# Altium PCB Bus_Adaptor_Hw-v2.2-tvs_tft.PcbDoc (part 1 of 2)
Units mil, origin at the board's own origin, x right, y up, seen from the top; angles counter-clockwise.
Board outline 2005.19 x 1181.26 mil, 4 copper layers (Top Layer, Layer 1, Layer 2, Bottom Layer), stack 23.756 mil thick; 106 components, 118 nets, 571 pads, 403 vias.
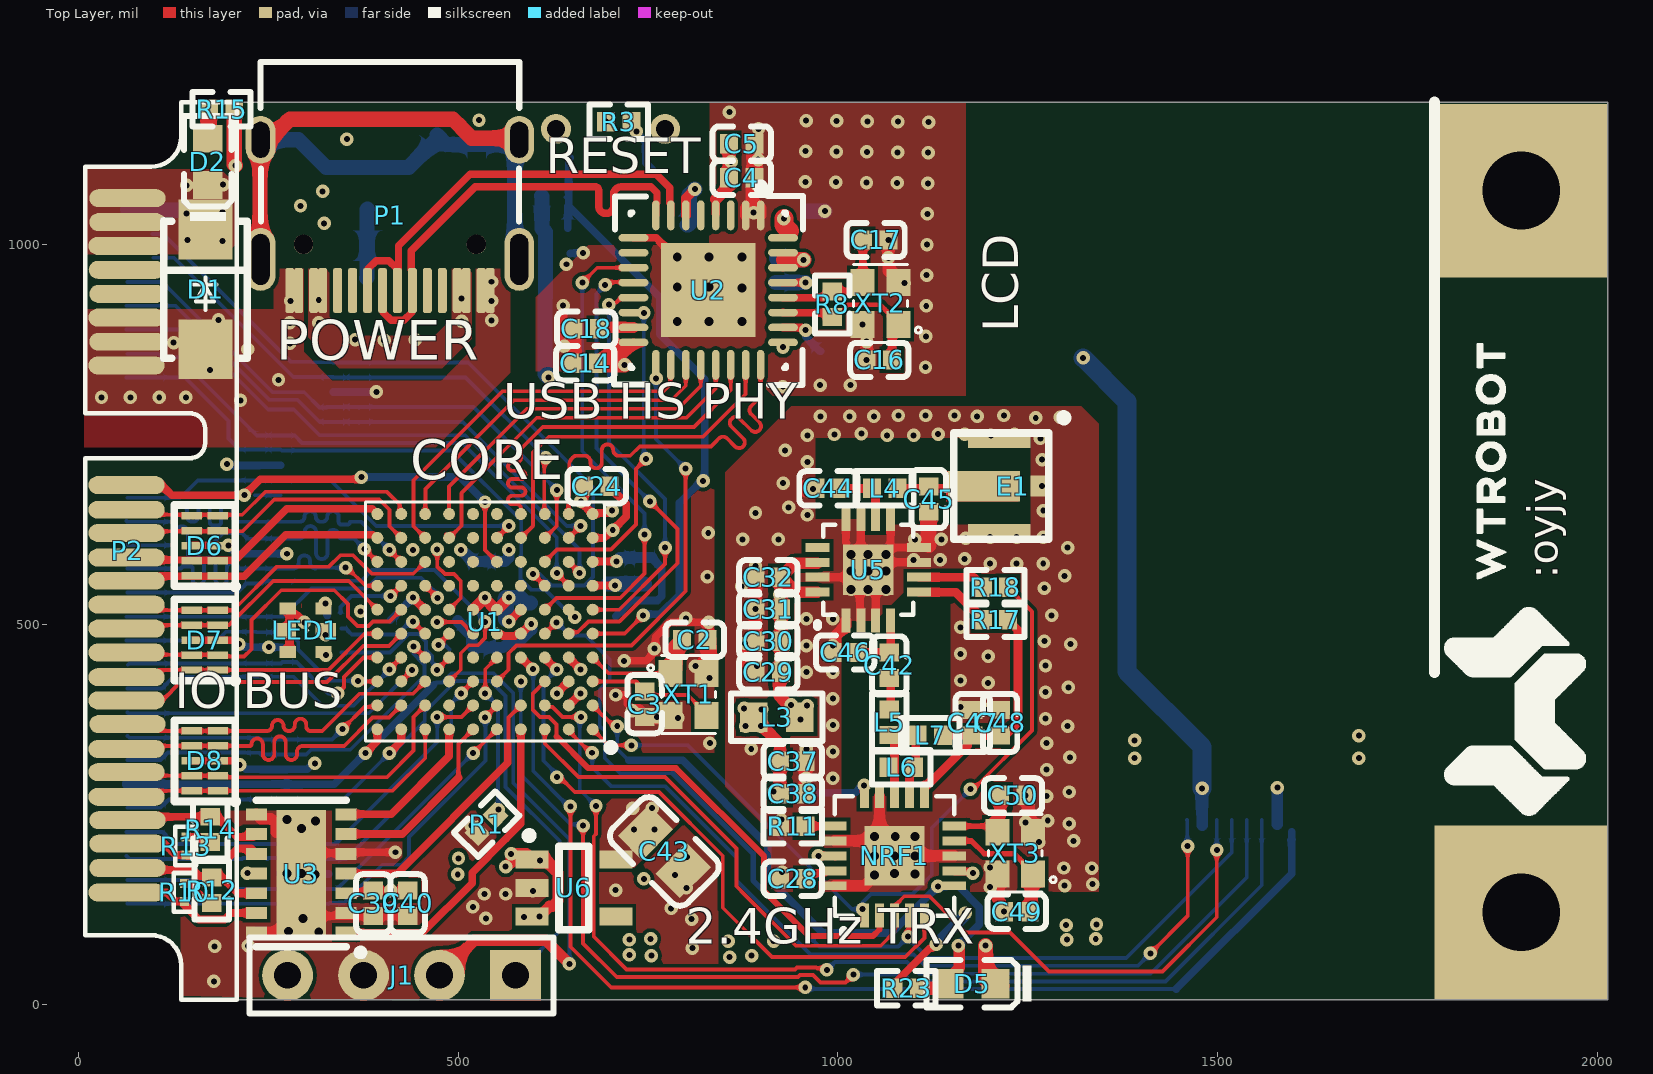
[diagram p0: Top Layer view]
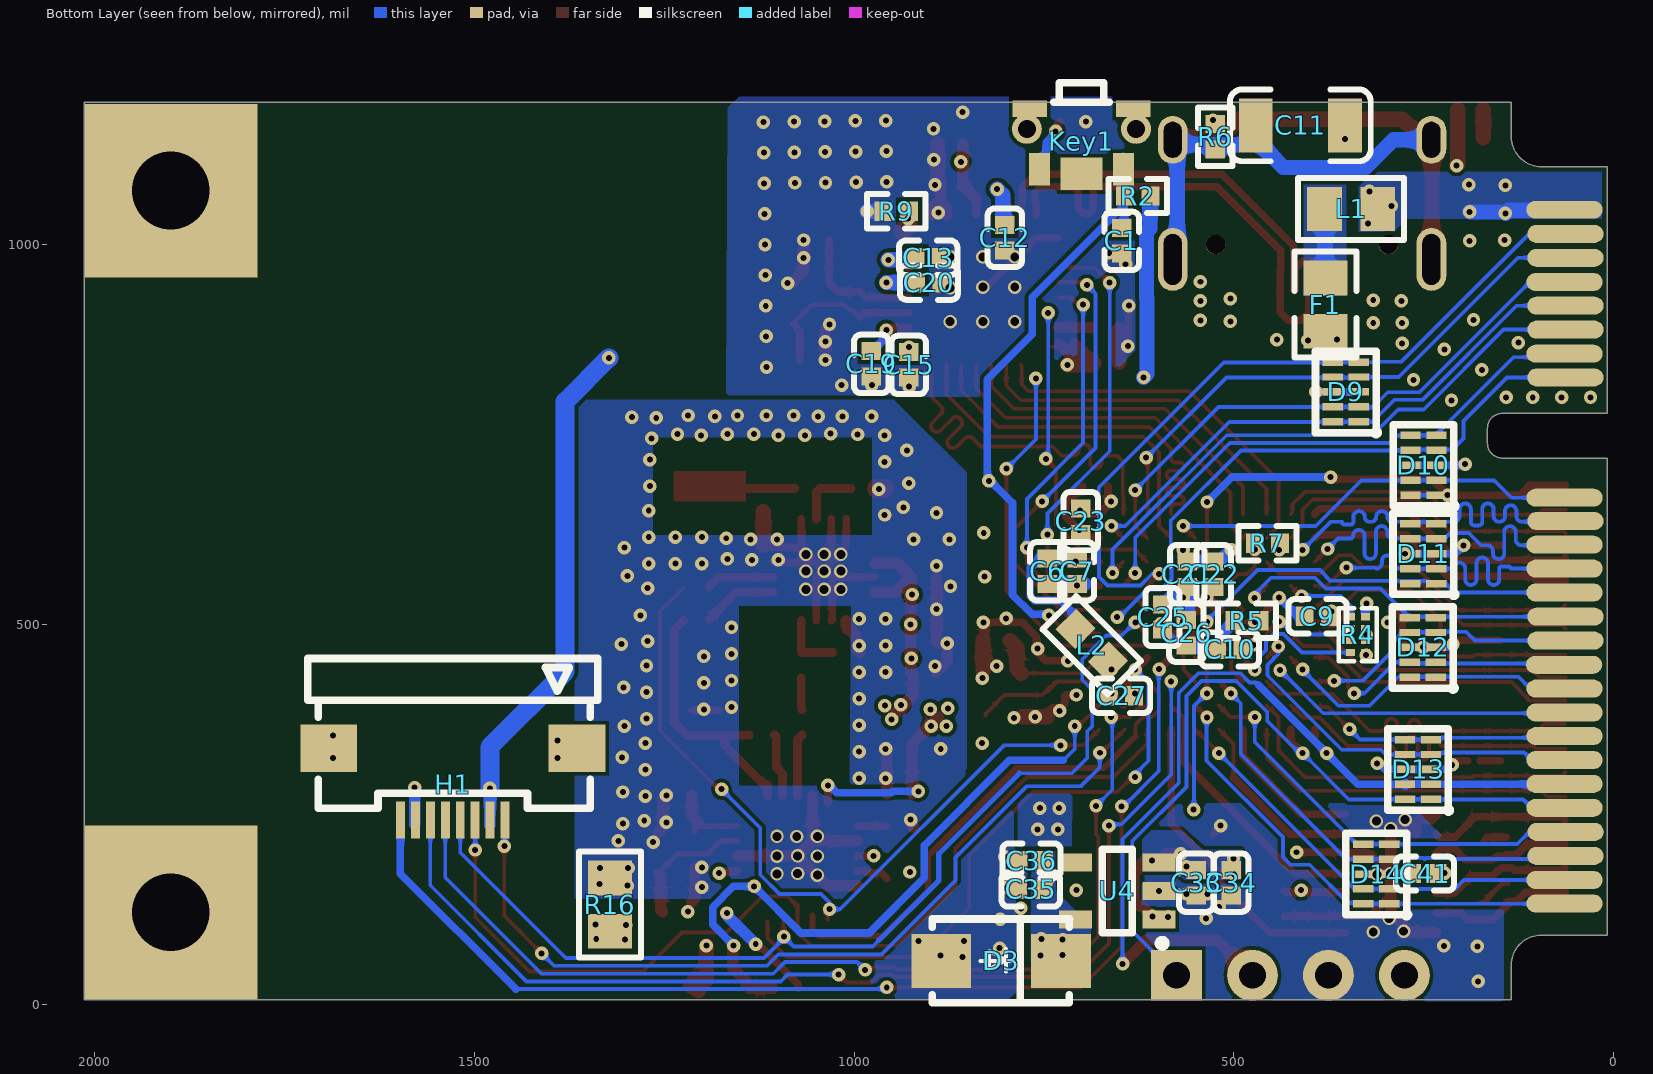
[diagram p1: Bottom Layer view, seen from below]
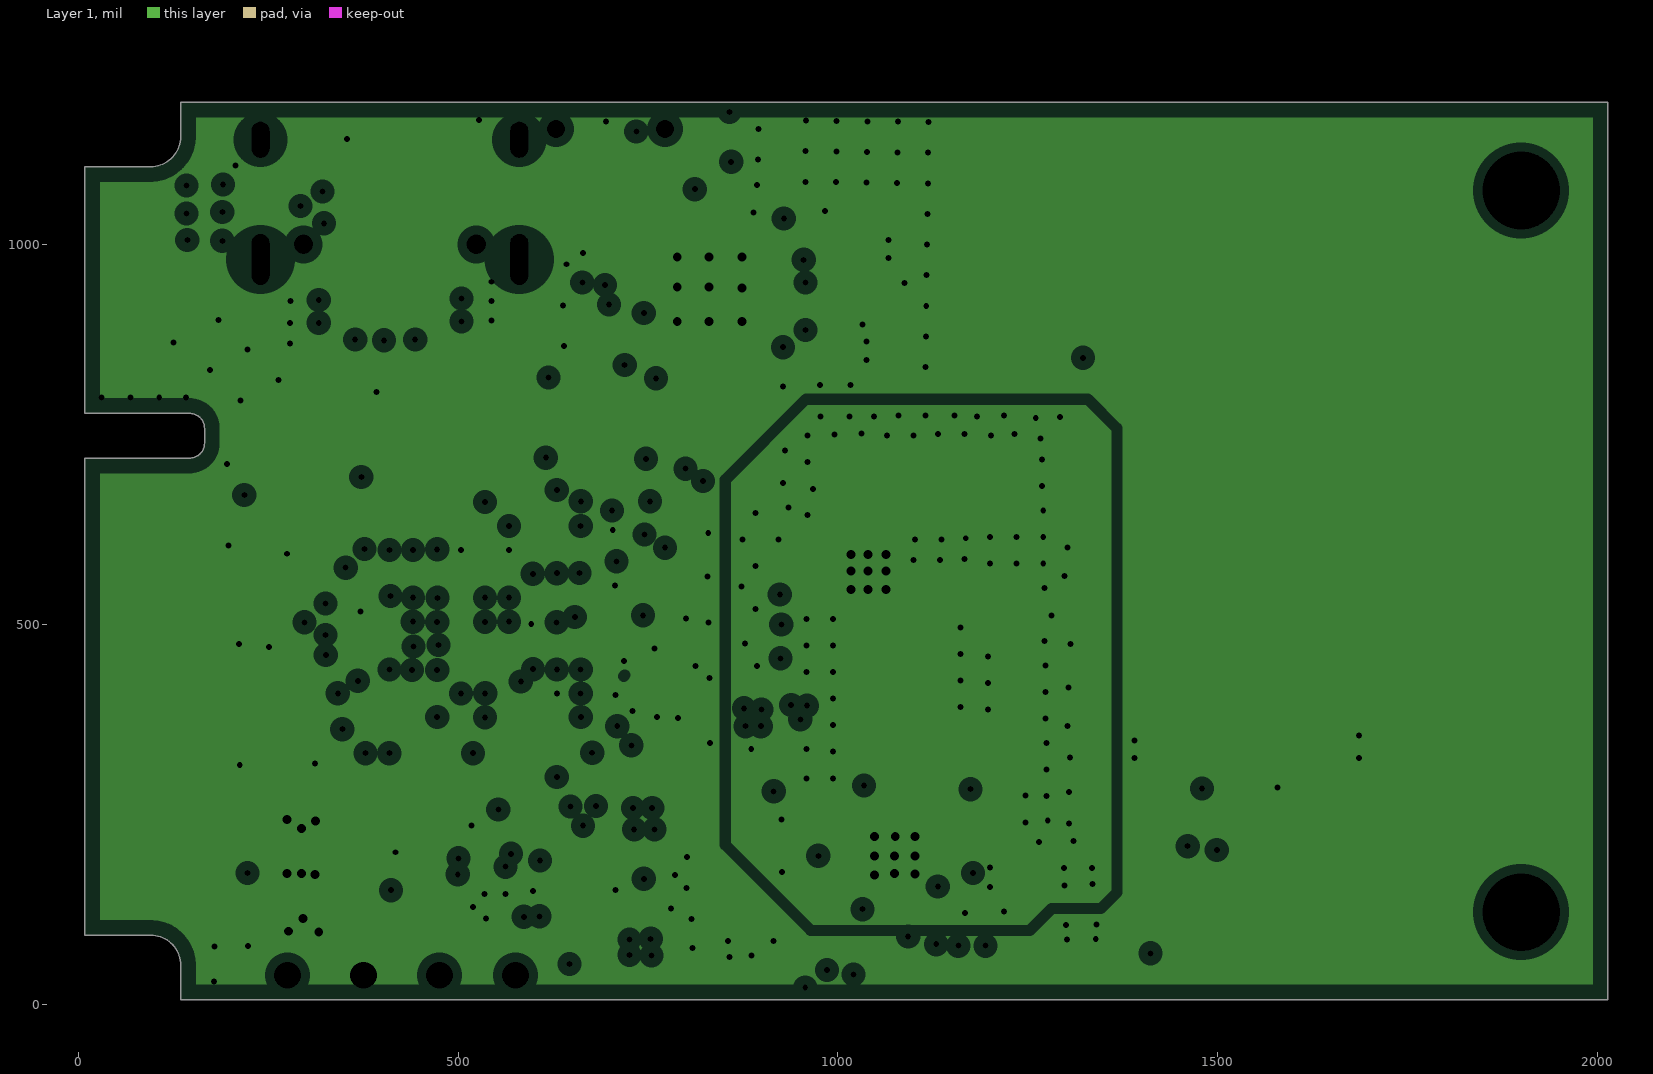
[diagram p2: Layer 1, clearances drawn from the general rule]
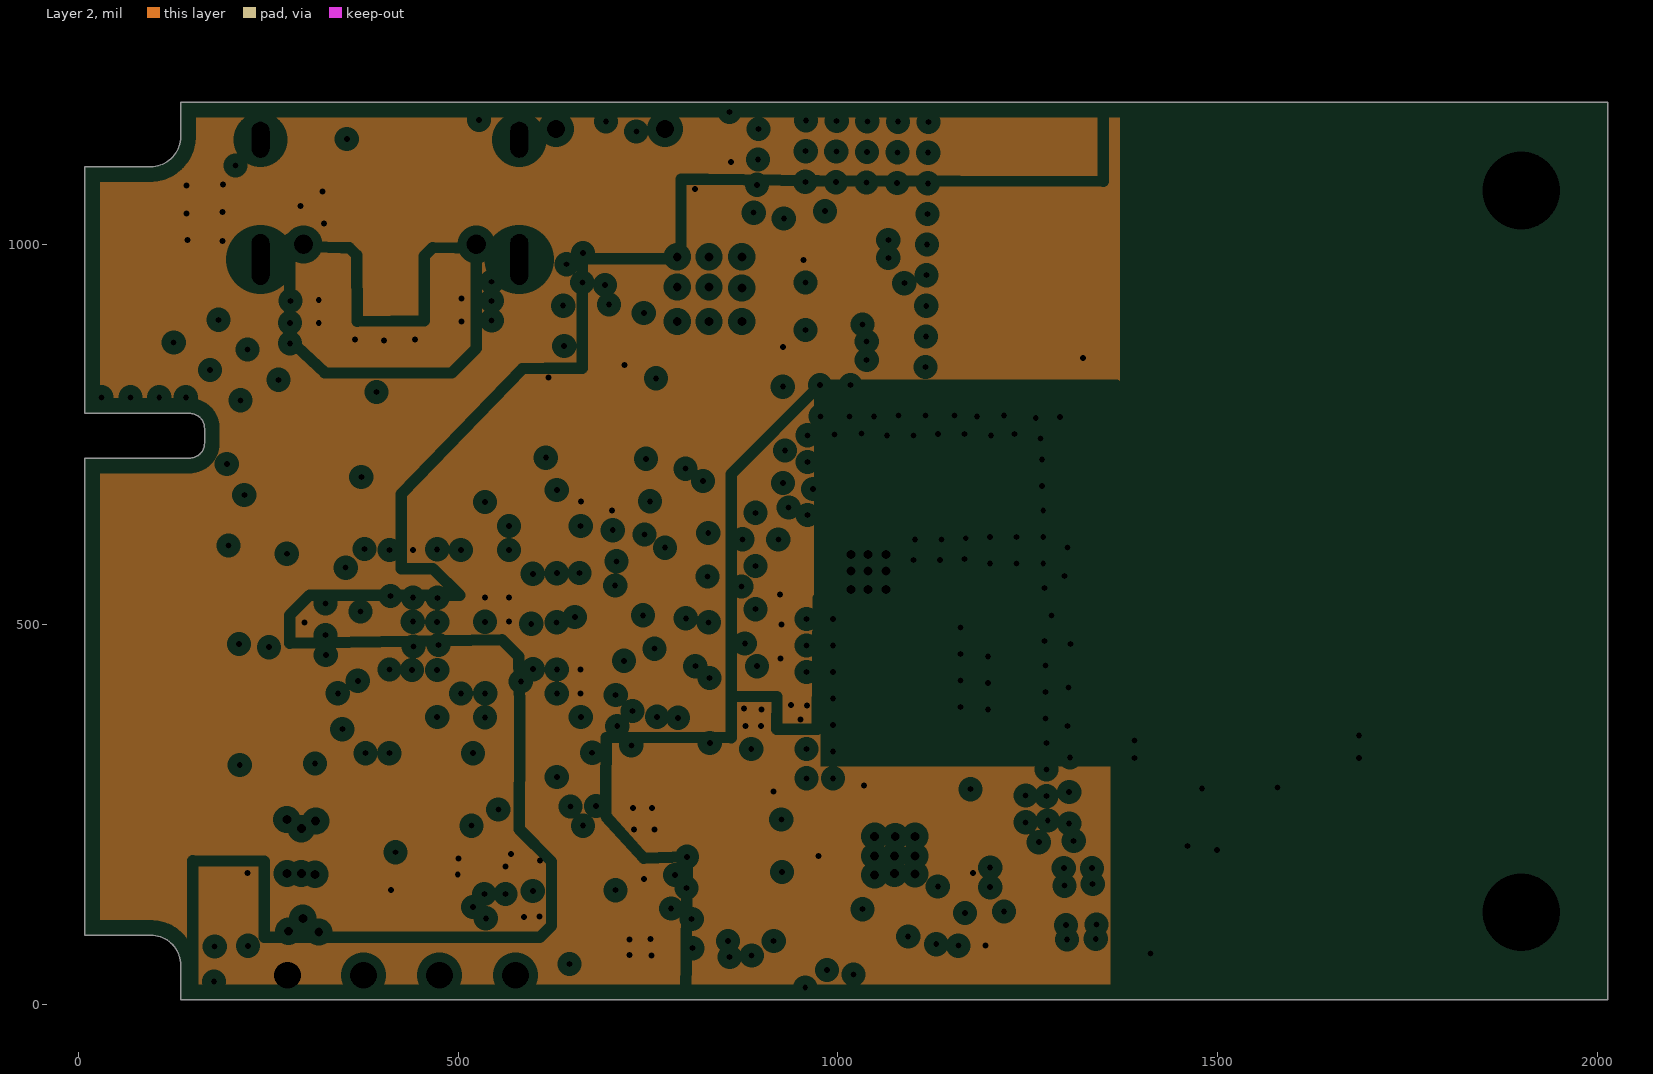
[diagram p3: Layer 2, clearances drawn from the general rule]

## Layer stack, top to bottom
Top Solder: solder mask 0.4, Solder Resist, Dk 3.5
Top Layer: signal copper 1.4
Dielectric 2: prepreg 2.8, PP-006, Dk 4.1
Layer 1: plane copper 1.3779, net (Multiple Nets)
Dielectric 1: dielectric 12.6, FR-4, Dk 4.8
Layer 2: plane copper 1.3779, net (Multiple Nets)
Dielectric 3: prepreg 2.8, PP-006, Dk 4.1
Bottom Layer: signal copper 1.4
Bottom Solder: solder mask 0.4, Solder Resist, Dk 3.5

## Board outline
8.7,91.21 95.31,91.21 cw(c95.31,51.84) 134.68,51.84 134.68,6.42 2013.9,6.42 2013.9,1187.67 134.68,1187.67 134.68,1142.4 cw(c95.31,1142.4) 95.31,1103.03 8.7,1103.03 8.7,778.22 146.5,778.22 cw(c146.5,758.54) 166.18,758.54 166.18,738.85 cw(c146.5,738.85) 146.5,719.17 8.7,719.17

## Design rules (kind name [scope] priority, off if disabled: settings)
Clearance [All] p1: gap=5 ignorepadtopadclearanceinfootprint=TRUE except(0: Arc-Hole Track-Hole SMDPad-Hole THPad-Hole Via-Hole Fill-Hole Poly-Hole Region-Hole Text-Text Text-Hole)
ComponentClearance [All] p1: gap=0 collisioncheckmode=3 verticalgap=0 showdistances=FALSE
DiffPairsRouting [All] p1: maxlimit=7.01 minlimit=7.01 mostfreqgap=7.01 toplayer_minwidth=9.72 toplayer_maxwidth=9.72 toplayer_prefwidth=9.72 bottomlayer_minwidth=9.72 bottomlayer_maxwidth=9.72 bottomlayer_prefwidth=9.72 maxuncoupledlength=500
Height [All] p1: minheight=0 maxheight=50000 prefheight=1000
HoleToHoleClearance [All] p1: gap=0 allowstackedmicrovias=TRUE
MinimumSolderMaskSliver [All] p1: minsoldermaskwidth=0
PlaneClearance [All] p1: clearance=12
PlaneConnect [All] p1: planeconnectstyle=Direct reliefexpansion=20 reliefentries=4 reliefconductorwidth=10 reliefairgap=10
PolygonConnect [All] p1: connectstyle=Direct reliefconductorwidth=10 reliefentries=4 polygonreliefangle="90 Angle" airgapwidth=10
RoutingVias [All] p1: holewidth=7.87 width=17.72 viastyle="Through Hole" minholewidth=7.87 minwidth=17.72 maxholewidth=50 maxwidth=50
SilkToSilkClearance [All] p1: silktosilkclearance=0
SilkToSolderMaskClearance [IsPad] p1: minsilkscreentomaskgap=0 clearancetoexposedcopper=TRUE
SolderMaskExpansion [All] p1: expansion=3
Width PWR_Width [InNetClass('PWR')] p1: maxlimit=100 minlimit=10 preferedwidth=10 minimp=50.000000 maximp=50.000000 favimp=50.000000
Width [All] p2: maxlimit=50 minlimit=5 preferedwidth=5 minimp=50.000000 maximp=50.000000 favimp=50.000000
21 further rules are at their usual default settings.

## Classes and differential pairs
net class PWR: 3.3V 3.3VA 3.3VPA 3.3VRF 5V GND RFGND
differential pair USB: +USB_P -USB_N

## Components (designator, comment, footprint, x,y, rotation, side; value= is the part's Value field where it differs from the comment)
C1 "10uF" 0402_C 647.54,1005.33 r90 bottom
C2 "12pF" 0402_C 811.54,480.11 r180 top
C3 "12pF" 0402_C 745.54,395.33 r90 top
C4 "100nF" 0402_C 873.54,1088.33 r0 top
C5 "10uF" 0402_C 873.54,1133.33 r0 top
C6 "1uF" 0402_C 745.54,570.33 r270 bottom
C7 "100nF" 0402_C 706.54,570.33 r270 bottom
C9 "2.2uF" 0402_C 390,511 r180 bottom
C10 "2.2uF" 0402_C 505.54,467.33 r180 bottom
C11 "1000pF/2KV" 1206_C 412.54,1157.33 r0 bottom
C12 "100nF" 0402_C 801.54,1009.33 r90 bottom
C13 "100nF" 0402_C 902.54,982.95 r0 bottom
C14 "100nF" 0402_C 667.54,844.33 r0 top
C15 "100nF" 0402_C 928.19,841.99 r90 bottom
C16 "15pF" 0402_C 1054.68,848.44 r0 top
C17 "15pF" 0402_C 1049.68,1006.42 r180 top
C18 "100nF" 0402_C 668.81,889.33 r0 top
C19 "4.7uF" 0402_C 977.35,843.33 r90 bottom
C20 "4.7uF" 0402_C 901.54,950.33 r0 bottom
C21 "100nF" 0402_C 561.54,566.33 r270 bottom
C22 "1uF" 0402_C 526.54,566.33 r270 bottom
C23 "4.7uF" 0402_C 701.54,636.33 r90 bottom
C24 "100nF" 0402_C 682.54,682.33 r180 top
C25 "100nF" 0402_C 594,510 r90 bottom
C26 "100nF" 0402_C 562.54,489.33 r90 bottom
C27 "100nF" 0402_C 648.54,406.33 r0 bottom
C28 "33nF" 0402_C 940.54,165.33 r180 top
C29 "2.2uF" 0402_C 908.54,437.33 r0 top
C30 "100nF" 0402_C 908.54,478.33 r0 top
C31 "10nF" 0402_C 908.28,520.33 r0 top
C32 "220pF" 0402_C 908.54,562.33 r0 top
C33 "10uF" 0402_C 549.54,160.33 r90 bottom
C34 "100nF" 0402_C 503.54,160.33 r90 bottom
C35 "100nF" 0402_C 767.54,151.33 r180 bottom
C36 "10uF" 0402_C 766.54,189.33 r180 bottom
C37 "10nF" 0402_C 940.54,320.33 r180 top
C38 "1nF" 0402_C 940.54,277.33 r180 top
C39 "100nF" 0402_C 388.54,133.02 r270 top
C40 "10nF" 0402_C 433.54,133.02 r270 top
C41 "100nF" 0402_C 248.54,172.33 r0 bottom
C42 "1.5pF" 0402_C 1067.54,446.33 r270 top
C43 "47uF" 0805_C 771.54,201.33 r135 top
C44 "1.0pF" 0402_C 987.54,679.33 r0 top
C45 "1.0pF" 0402_C 1119.54,665.33 r90 top
C46 "1pF" 0402_C 1009.54,463.33 r0 top
C47 "2.2nF" 0402_C 1177.54,370.59 r270 top
C48 "4.7pF" 0402_C 1213.54,370.59 r270 top
C49 "15pF" 0402_C 1235.54,122.15 r0 top
C50 "15pF" 0402_C 1230.54,275.15 r180 top
D1 "SMBJ3.3/MSP3V3HM3/89A-C241899" SMA 167.54,941.33 r270 top
D2 "GREEN 0603" 0603_LED_S1 170.54,1109.33 r90 top
D3 "SMBJ3.3/MSP3V3HM3/89A-C241899" SMA 806.54,57.33 r0 bottom
D5 "GREEN 0603" 0603_LED_S1 1177.18,27.33 r180 top
D6 "PUSB3FR4Z" DFN2510A-10_L2.5-W1.0-P0.50-BL 166.42,603.96 r90 top
D7 "PUSB3FR4Z" DFN2510A-10_L2.5-W1.0-P0.50-BL 166.42,479.64 r90 top
D8 "PUSB3FR4Z" DFN2510A-10_L2.5-W1.0-P0.50-BL 166.67,320.64 r90 top
D9 "PUSB3FR4Z" DFN2510A-10_L2.5-W1.0-P0.50-BL 352.54,806.33 r90 bottom
D10 "PUSB3FR4Z" DFN2510A-10_L2.5-W1.0-P0.50-BL 250.42,709.7 r90 bottom
D11 "PUSB3FR4Z" DFN2510A-10_L2.5-W1.0-P0.50-BL 250.54,593.33 r90 bottom
D12 "PUSB3FR4Z" DFN2510A-10_L2.5-W1.0-P0.50-BL 251.42,469.96 r90 bottom
D13 "PUSB3FR4Z" DFN2510A-10_L2.5-W1.0-P0.50-BL 257.54,309.33 r90 bottom
D14 "TVS10P-4PAIR" DFN2510A-10_L2.5-W1.0-P0.50-BL 312.67,171.64 r90 bottom
E1 "Antenna" IPEX 1212.54,682.33 r270 top
F1 "500mA" 0805_R 379.54,921.33 r270 bottom
H1 "8P-2EP" FPC-SMD_8P-P0.50_F0500WR-S-08PNLNG1GT0R 1528.46,290.03 r0 bottom
J1 "HEADER-4" HDR-1X4 575.54,38.33 r180 top
Key1 "C495892" SW-SMD_侧开/5脚 700.68,1136.42 r180 bottom
L1 "120R@100M/C365235" 0805_L 345.69,1047.33 r0 bottom
L2 "1K@100MHz" 0603_L 687,473 r45 bottom
L3 "10uH" 0603_L 919.54,377.95 r0 top
L4 "3.9nH" 0402_L 1061.54,679.33 r0 top
L5 "3.9nH" 0402_L 1067.54,371.33 r90 top
L6 "8.2nH" 0402_L 1083.54,312.33 r180 top
L7 "2.7nH" 0402_L 1121.54,354.59 r0 top
LED1 "RGB-1.6x1.6" RGB-1.6X1.6 299.21,492.51 r0 top
NRF1 "NRF24L01" QFN-20_4X4X05P 1074.54,195.59 r90 top locked
P1 "TYPE_C" TYPE-C-TOP 410.27,1039.12 r90 top locked
P2 "MINI_PCIE" MINIPCIE 64.68,1061.42 r270 top locked
R1 "10K" 0402_R 537.54,237.33 r45 top
R2 "10K" 0402_R 626.54,1064.33 r0 bottom
R3 "100R" 0402_R 711.54,1162.33 r180 top
R4 "R_array4" RES-ARRAY-SMD_0201-8P-L1.4-W0.6-BL 336.84,486.87 r90 bottom
R5 "10K" 0402_R 482.81,505.33 r180 bottom
R6 "1M" 0402_R 524.54,1142.33 r270 bottom
R7 "10K" 0402_R 455.81,607 r0 bottom
R8 "1M" 0402_R 992.68,921.59 r90 top
R9 "12K 1%" 0402_R 944.54,1044.33 r180 bottom
R10 "0R" 0201 139.54,147.42 r90 top
R11 "22K 1%" 0402_R 940.54,234.33 r180 top
R12 "120R" 0402_R 175.54,150.33 r90 top
R13 "0R" 0201 141.54,208.52 r90 top
R14 "120R" 0402_R 173.54,230.33 r90 top
R15 "2K" 0402_R 188.54,1178.33 r180 top
R16 "0R/10uH" 0805_L 1321.54,131.33 r270 bottom
R17 "1K" 0402_R 1207.54,506.33 r0 top
R18 "1K" 0402_R 1207.54,549.33 r180 top
R23 "1K" 0402_R 1090.21,21.33 r0 top
U1 "STM32F765VGH6" "TFBGA100, 8*8*0.8 MM" 535.43,503.94 r180 top locked
U2 "HS USB PHY" QFN50P500X500X100-32N 829.36,940.44 r90 top locked
U3 "TJA1059" HVSON-14_L4.5-W3.0-P0.65-BL-EP 293.54,172.33 r90 top locked
U4 "SPX3819M5-L-3-3" SOT-23-5 653.54,149.33 r180 bottom
U5 "RFX2401C" RFX2401C 1040.02,572.26 r90 top locked
U6 "LP5907" SOT-23-5 652.54,153.33 r180 top
XT1 "25M-8pF/C193187" OSC-SMD_4P-L2.0-W1.6-BL 803.54,408.11 r270 top
XT2 "24M-10pF/C108160" OSC-SMD_4P-L2.0-W1.6-BL 1056.06,922.86 r90 top
XT3 "16M-12pF/C108155" OSC-SMD_4P-L2.0-W1.6-BL 1233.54,199.15 r90 top

## Footprints (in the part's own frame and the unit in brackets; to place one, negate y for a bottom-side part, rotate by r counter-clockwise, add the part's x,y. Pads: shape width x height; smd on the part's side, far side on the other; paste and mask are expansions set on the pad)
0201 [mm]
  rect 0.3x0.3 smd: 1(-0.3,0) 2(0.3,0)
  silkscreen extent -0.65,-0.35 0.65,0.35, body extent -0.3,-0.15 0.3,0.15, height 0.23
0402_C [mm]
  rect 0.6x0.65 smd mask+0.051: 1(-0.425,0) 2(0.425,0)
  silkscreen extent -0.97,-0.58 0.98,0.58, body extent -0.48,-0.3 0.52,0.3, height 0.2
0402_L [mm]
  rect 0.6x0.65 smd mask+0.051: 1(-0.425,0) 2(0.425,0)
  silkscreen extent -0.97,-0.58 0.97,0.58, body extent -0.51,-0.26 0.54,0.26, height 0.36
0402_R [mm]
  rect 0.6x0.65 smd mask+0.051: 1(-0.425,0) 2(0.425,0)
  silkscreen extent -0.97,-0.58 0.97,0.58, body extent -0.57,-0.27 0.58,0.28, height 0.41
0603_L [mm]
  rect 0.93x0.98 smd: 1(-0.77,0) 2(0.77,0)
  silkscreen extent -1.53,-0.79 1.54,0.79, body extent -0.8,-0.41 0.8,0.41, height 0.46
0603_LED_S1 [mm]
  rect 0.93x0.98 smd: A(0.77,0) K(-0.77,0)
  silkscreen extent -1.97,-0.79 1.54,0.79, body extent -0.8,-0.4 0.8,0.4, height 0.6
0805_C [mm]
  rect 1.16x1.47 smd: 1(-0.89,0) 2(0.89,0)
  silkscreen extent -1.77,-1.04 1.77,1.04, body extent -1,-0.62 1,0.63, height 0.77
0805_L [mm]
  rect 1.16x1.47 smd: 1(-0.89,0) 2(0.89,0)
  silkscreen extent -1.77,-1.04 1.77,1.03, body extent -1,-0.64 1,0.64, height 0.6
0805_R [mm]
  rect 1.16x1.47 smd: 1(-0.89,0) 2(0.89,0)
  silkscreen extent -1.77,-1.04 1.77,1.04, body extent -1,-0.63 1,0.62, height 0.49
1206_C [mm]
  rect 1.13x1.8 smd: 1(-1.49,0) 2(1.49,0)
  silkscreen extent -2.36,-1.2 2.35,1.2, body extent -1.6,-0.81 1.6,0.79, height 1
DFN2510A-10_L2.5-W1.0-P0.50-BL [mm]
  rect 0.25x0.68 smd: 1(-1,-0.435) 2(-0.5,-0.435) 3(0,-0.435) 4(0.5,-0.435) 5(1,-0.435) 6(1,0.435) 7(0.5,0.435) 8(0,0.435) 9(-0.5,0.435) 10(-1,0.435)
  silkscreen extent -1.42,-1.08 1.36,1.02
FPC-SMD_8P-P0.50_F0500WR-S-08PNLNG1GT0R [mm]
  rect 0.3x1.25 smd: 1(-1.75,1.2) 2(-1.25,1.2) 3(-0.75,1.2) 4(-0.25,1.2) 5(0.25,1.2) 6(0.75,1.2) 7(1.25,1.2) 8(1.75,1.2)
  rect 1.9x1.6 smd: 9(4.15,-1.2) 10(-4.15,-1.2)
  silkscreen extent -4.85,-4.2 4.85,0.8
HDR-1X4 [mm] "排针，4脚"
  rect 1.7x1.7 hole 0.9: 1(0,0)
  round 1.7 hole 0.9: 2(2.54,0) 3(5.08,0) 4(7.62,0)
  silkscreen extent -1.27,-1.27 8.89,1.27, body extent -1.27,-1.27 8.89,1.27, height 8.5
HVSON-14_L4.5-W3.0-P0.65-BL-EP [mm]
  rect 0.4x0.7 smd: 1(-1.98,-1.5) 2(-1.32,-1.5) 3(-0.66,-1.5) 4(0,-1.5) 5(0.66,-1.5) 6(1.32,-1.5) 7(1.98,-1.5) 8(1.98,1.5) 9(1.32,1.5) 10(0.66,1.5) 11(0,1.5) 12(-0.66,1.5) 13(-1.32,1.5) 14(-1.98,1.5)
  rect 4.25x1.65 smd: 15(0,0)
  silkscreen extent -2.74,-2.08 2.45,1.5
IPEX [mil]
  rect 40x95 smd: 1(0,-20)
  rect 19.68x82.68 smd: 2(-60,0) 2(60,0)
  rect 27.56x27.56 smd: 2(0,55)
  Top Layer region: -20.02,-70 19.98,-70 19.98,25 -20.02,25
  silkscreen extent -95,-60 70,90, body extent -60,-55 58,67, height 49